# Altium PCB 脑电采集板V1.0.PcbDoc (part 2 of 2)
Units mil, origin at the board's own origin, x right, y up, seen from the top; angles counter-clockwise.
Board outline 3937.01 x 3228.35 mil, 2 copper layers (Top Layer, Bottom Layer); 167 components, 112 nets, 628 pads, 199 vias.
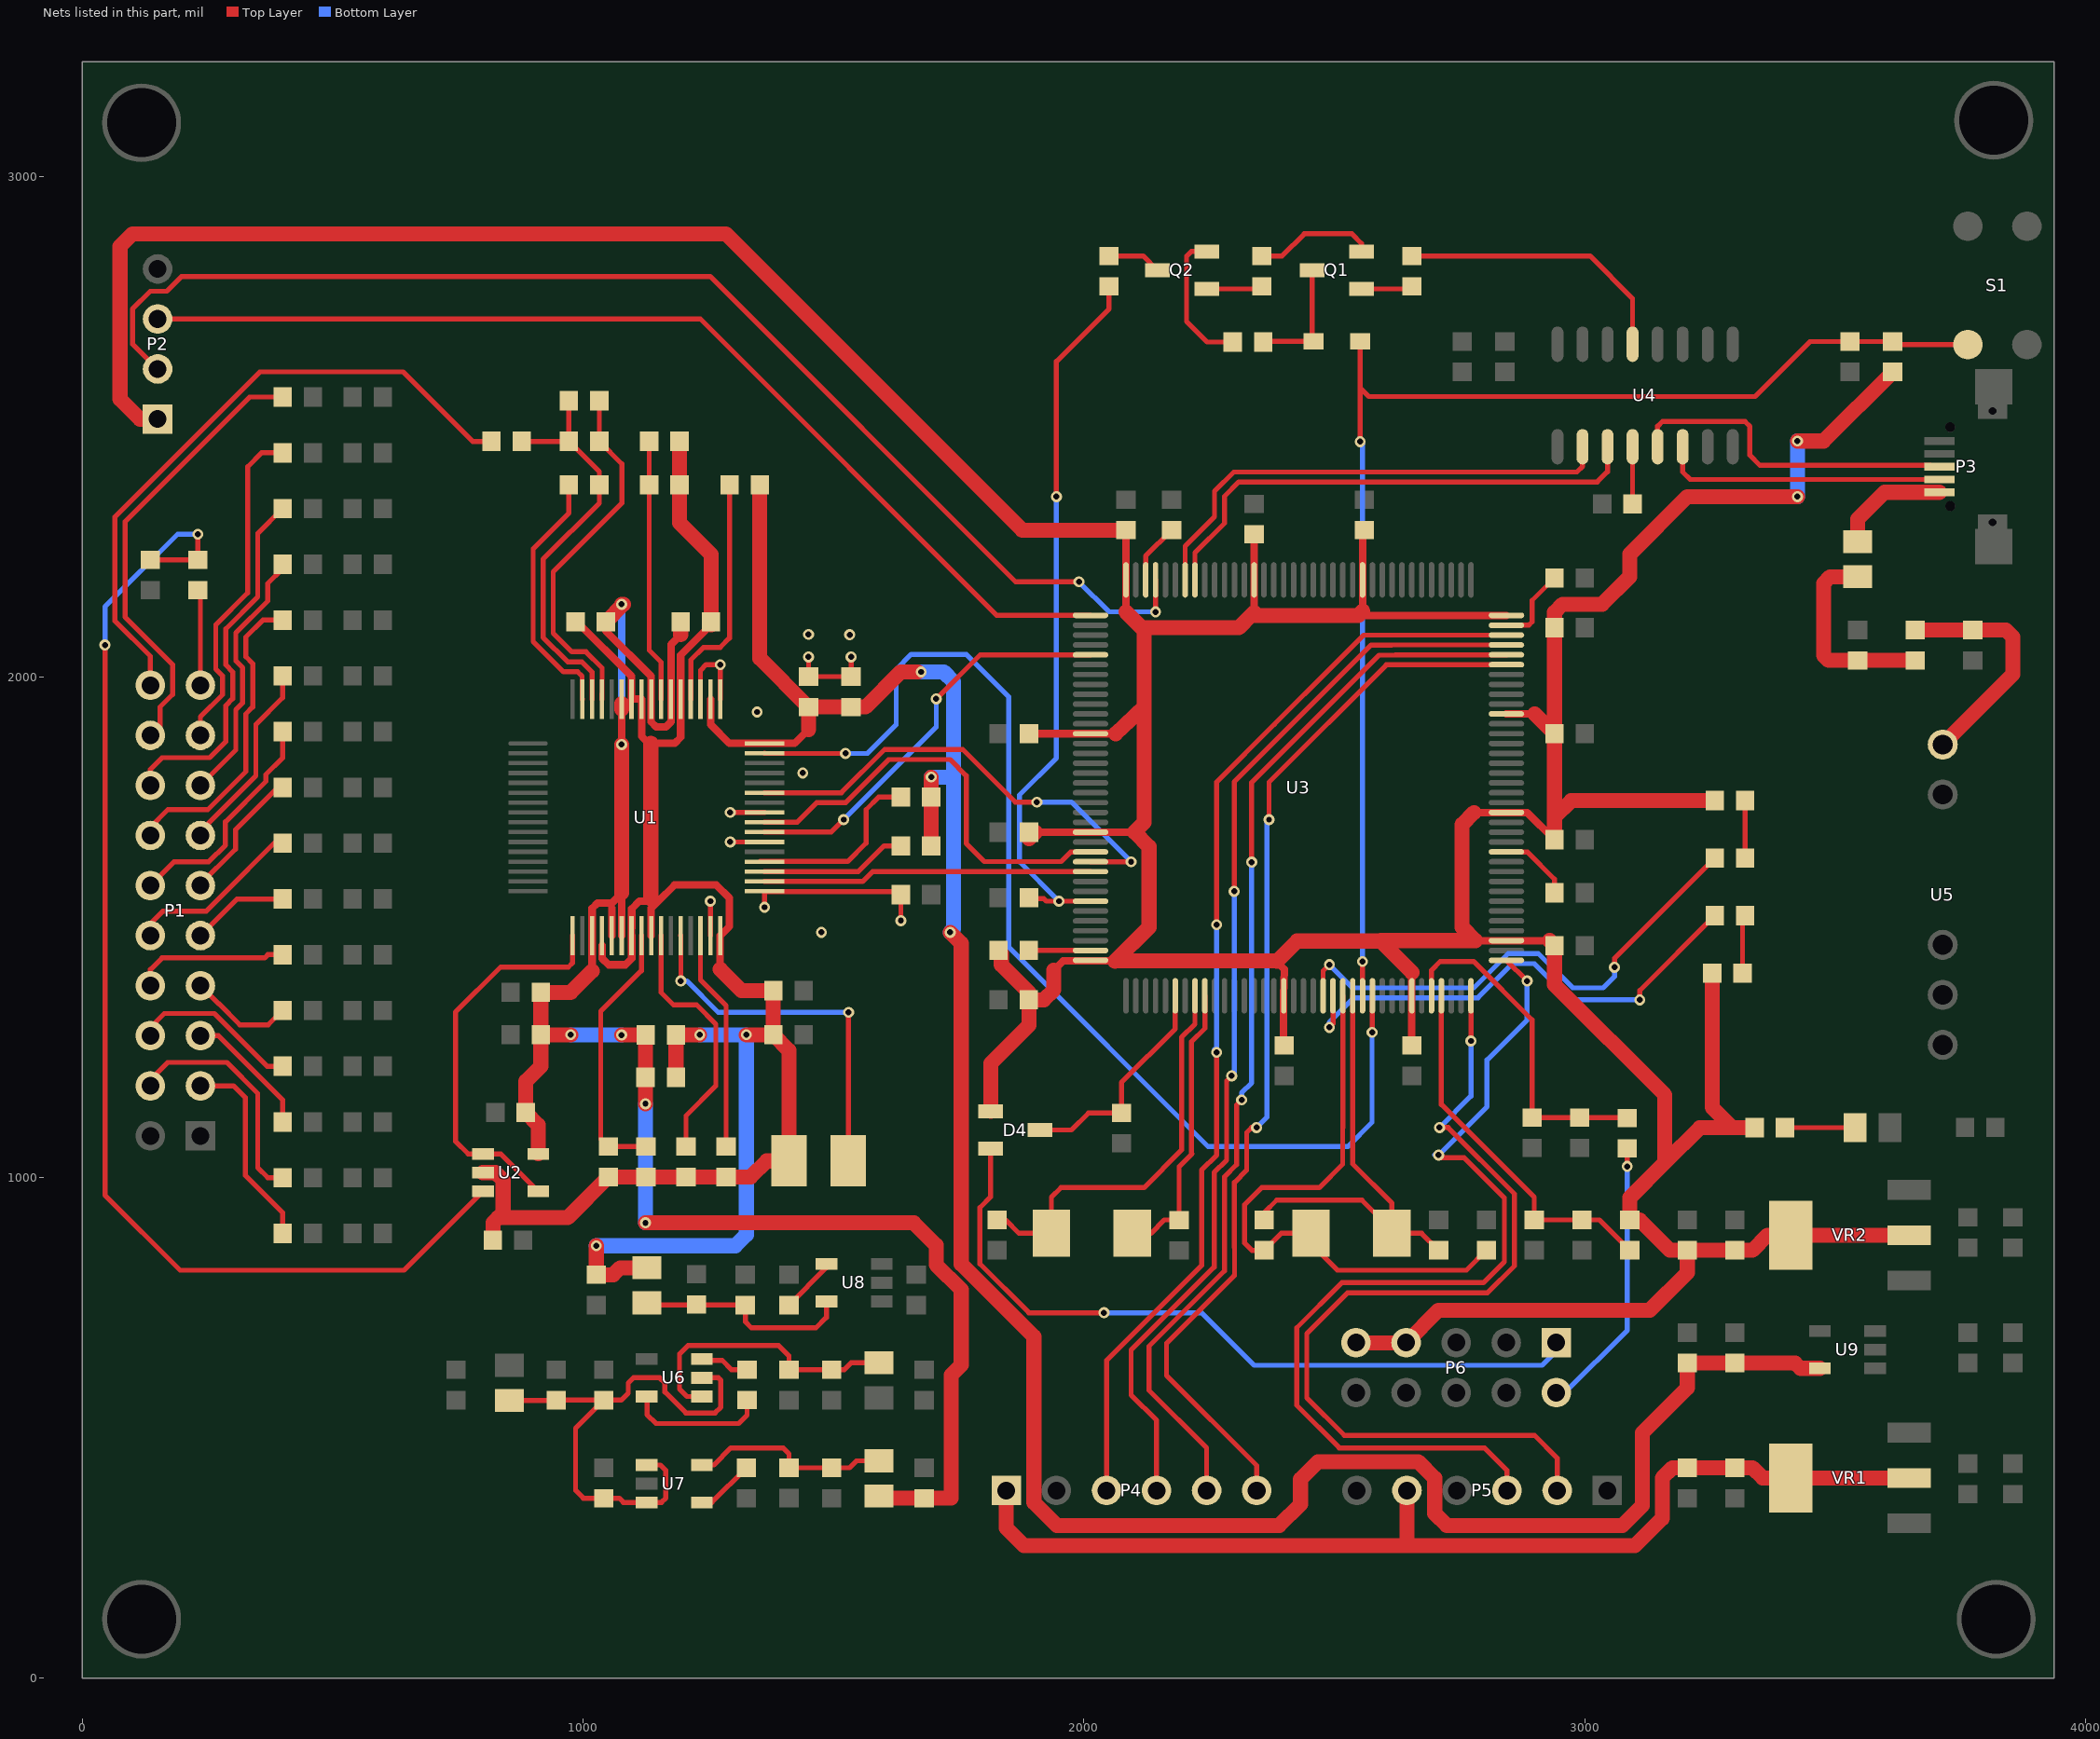
[diagram p2: the nets of this part, all layers, seen from the top]

## Via types
v1: diameter 22, hole 12, Top Layer to Bottom Layer, tented both sides, 199 vias

## Nets (pads, with @x,y where several pads share a name; then routed paths per layer and width w, separated by ;. In a path a pad name is that pad's centre, name@x,y a point inside that pad or via, vN(x,y) a via of type N, cw(c..) or ccw(c..) an arc to the next point about the centre after c; other vN are vias at no path point) (continued)
AVDD: C1.1 C2.1 C3.1 C4.1 C9.1 C10.1 C30.2 C79.2 L4.2 U1.19 U1.21 U1.22 U1.54 U1.56 U1.59 U2.5 | length 3882.9
  Top Layer w15: 1017.76,1412.76 U1.19@1017.76,1483.33 1017.76,1537.76 1028.63,1548.63 1057.03,1548.63 1077.17,1568.77 U1.22@1076.81,1483.33 ; C4.1@1045.32,2110 1045.32,2091.55 1135.51,2001.36 U1.56@1135.51,1969.56 ; U1.21@1057.13,1483.33 1057.13,1537.87 ; v1(1076.81,1865) U1.59@1076.81,1946.82 ; U1.56@1135.87,1969.56 U1.56@1135.87,1955.77 1135.87,1910 1145.87,1900 1165,1900 1175.24,1910.24 U1.54@1175.24,1955.77 1175.24,2065 1194.68,2084.45
  Top Layer w30: U2.5@910.12,1047.4 910.12,1105.2 C30.2@885.32,1130 885.32,1192.47 915.32,1222.47 C9.1@915.32,1285.31 ; v1(975,1285.31) C9.1@915.32,1285.31 ; 1017.76,1412.76 975,1370 C10.1@915.32,1370 C9.1@915.32,1285.31 ; C4.1@1045.32,2110 1080.32,2145 v1(1076.81,2145) ; v1(1076.81,1284.83) 1077.13,1285.14 C2.1@1124.69,1285.14 1124.38,1284.83 C1.1@1124.38,1200.46 v1(1124.38,1147.36) ; v1(1076.81,1865) 1077.17,1568.77 ; U1.59@1076.81,1946.82 1077.17,1946.47 U1.59@1077.17,1935.77 ; v1(1124.38,909.69) 1660.31,909.69 1705,865 1705,825.94 1755,775.94 1755,625.69 1735,605.69 1735,359.69 C79.2@1680.95,359.69 1595.15,359.69 L4.2@1590.62,364.21 ; 1194.68,2084.45 C3.1@1194.68,2110
  Bottom Layer w15: v1(1076.81,1865) v1(1076.81,2145)
  Bottom Layer w30: v1(975,1285.31) 1076.33,1285.31 v1(1076.81,1284.83) ; v1(1124.38,909.69) v1(1124.38,1147.36)
AVSS: C1.2 C2.2 C3.2 C4.2 C5.2 C7.2 C11.1 C12.1 C21.1 C28.2 C29.2 C33.2 C34.1 C37.2 C90.2 L5.2 U1.20 U1.23 U1.25 U1.32 U1.53 U1.57 U1.58 U2.2 | length 4407.8
  Top Layer w15: C4.2@986.09,2111.41 1096.14,2001.36 U1.58@1096.14,1955.77 ; U1.20@1037.8,1463.33 1037.8,1437.75 1050.55,1425 1084.1,1425 1096.85,1437.75 U1.23@1096.85,1483.33 ; U1.58@1096.5,1955.77 U1.57@1116.18,1955.77 ; U1.23@1096.81,1483.33 U1.23@1096.81,1498.7 ; U1.23@1096.85,1498.7 1096.85,1536.85 1111.89,1551.89 1150,1551.89 ; U1.57@1116.54,1955.42 1116.54,1881.54 1130.6,1867.47 ; 1135,1867.47 1182.74,1867.47 1194.57,1879.29 1194.57,2043.77 C3.2@1255.32,2104.51 ; U1.25@1135.87,1483.33 1135.87,1537.76 1150,1551.89 ; 1273.66,1415.88 U1.32@1273.66,1483.33 1291.79,1501.46 1291.79,1558.53 1266.02,1584.29 1182.4,1584.29 1150,1551.89
  Top Layer w30: U2.2@799.88,1010 824.68,1010 840,994.68 840,930 829.84,919.84 ; C21.1@819.68,875 819.68,909.68 829.84,919.84 ; v1(1026.21,863.79) C90.2@1026.21,805.94 1060,805.94 1073.98,819.92 L5.2@1127.51,819.92 ; 1135,1557.07 1135,1867.47 ; C1.2@1185.01,1200.46 1185.32,1200.77 C2.2@1185.32,1284.83 ; C2.2@1185.32,1285.14 C2.2@1185.32,1284.83 ; C7.2@1192.4,2470.55 C5.2@1192.4,2383.88 1192.4,2307.6 1255.32,2244.69 C3.2@1255.32,2110 C3.2@1255.32,2104.51 ; v1@1232.57,1284.83 C2.2@1185.32,1284.83 ; 1273.66,1415.88 1316.21,1373.33 C12.1@1379.61,1373.33 C11.1@1379.61,1285.31 ; v1(1325.95,1285.31) C11.1@1379.61,1285.31 ; C11.1@1379.92,1285.31 C11.1@1379.61,1285.31 ; 829.84,919.84 968.91,919.84 C37.2@1050.31,1001.25 C34.1@1125.31,1001.25 C28.2@1205.31,1001.25 C29.2@1285.31,1001.25 1334.61,1001.25 1366.59,1033.23 C33.2@1410.95,1033.23 1410.95,1253.98 C11.1@1379.61,1285.31
  Bottom Layer w30: v1(1026.21,863.79) 1303.79,863.79 1325.95,885.95 v1(1325.95,1285.31) 1233.06,1285.31 v1(1232.89,1285.14)
BOOT0: R33.2 R38.2 U3.138 | length 1460.3
  Top Layer w10: R33.2@1890.32,1558.96 1892.2,1557.07 1920,1557.07 1925,1552.07 v1(1950,1552.07) U3.138@2013.07,1552.07 ; v1(1945,2360) 1945,2630 2050,2735 R38.2@2050,2780.12
  Bottom Layer w10: v1(1945,2360) 1945,1838.11 1871.26,1764.37 1871.26,1630.81 v1(1950,1552.07)
BOOT1: R34.2 U3.48 | length 145.8
  Top Layer w10: U3.48@2843.78,1650.5 2885.41,1650.5 2939.68,1596.22 R34.2@2939.68,1568.77
CH340_D+: P3.3 U4.5 | length 659.2
  Top Layer w10: U4.5@3145.67,2459.78 3145.67,2500.67 3155.21,2510.21 3320.1,2510.21 3330,2500.32 3330,2442.72 3350,2422.72 P3.3@3690,2422.72
CH340_D-: P3.2 U4.6 | length 569.3
  Top Layer w10: U4.6@3195.67,2459.78 3195.67,2409.33 3210.59,2394.41 P3.2@3708.39,2394.41
DGND: C13.2 C14.2 R1.1 U1.31 U1.33 U1.38 U1.41 U1.49 U1.51 | length 898.1
  Top Layer w10: U1.51@1234.29,1955.77 1234.29,2013.13 1245.67,2024.51 v1(1273.66,2024.51) U1.49@1273.66,1955.77 ; U1.31@1253.98,1483.33 v1(1253.98,1552.07) ; v1(1293.5,1670.34) U1.38@1362.24,1670.34 ; v1(1293.5,1729.4) U1.41@1362.24,1729.4 ; v1(1362.28,1540) 1362.28,1571.29 1362.24,1571.33 1628.04,1571.33 R1.1@1634.37,1565 v1(1634.37,1513.17) ; v1(1450,2040) C13.2@1450,2000.63 C14.2@1535,2000.63 v1(1535,2040)
  other v1: 1475.81,1490 1438.59,1808.19 1347.31,1930 1532.26,2084.2 1450,2085
DVDD: C13.1 C14.1 C95.2 C96.2 R5.1 R13.1 R16.2 U1.48 U1.50 U9.5 | length 5034.7
  Top Layer w15: U1.50@1254.33,1955.42 1254.33,1904.65 1291.79,1867.19 U1.48@1362.24,1867.19 1422.19,1867.19 1450,1895
  Top Layer w30: R5.1@1352.68,2383.88 1352.68,2037.32 C13.1@1450,1940 ; 1450,1895 C13.1@1450,1940 ; v1@1668.33,2010 1633.9,2010 1563.9,1940 C14.1@1535,1940 C13.1@1450,1940 ; R16.2@1695,1662.5 R13.1@1695,1760 v1(1695,1800) ; v1(1732.82,1490) 1755,1467.82 1755,827.4 1900,682.4 1900,350.94 1945.94,305 2390,305 2432.52,347.52 2432.52,397.52 2467.5,432.5 2667.5,432.5 2700.47,399.53 2700.47,329.13 2724.61,305 3075.32,305 3115,344.68 3115,490 3205,580 C96.2@3205,629.68 C95.2@3300,629.68 3420.31,629.68 3431.02,618.98 U9.5@3469.88,618.98
  Bottom Layer w30: v1(1675,2010) 1720,2010 1739.69,1990.31 1739.69,1800 ; v1(1695,1800) 1739.69,1800 ; v1(1732.82,1490) 1739.69,1496.86 1739.69,1800
IN1N: P1.4 R9.1 | length 472.7
  Top Layer w10: P1.4@135.55,1183.33 135.55,1195.55 170,1230 288.18,1230 350,1168.18 350,1020 370.29,999.71 R9.1@399.61,999.71
IN1P: P1.3 R7.1 | length 401.7
  Top Layer w10: P1.3@235.55,1183.33 301.67,1183.33 325,1160 325,1004.68 399.61,930.08 R7.1@399.61,888.33
IN2N: P1.6 R10.1 | length 335.9
  Top Layer w10: P1.6@135.55,1283.33 135.55,1300 163.41,1327.86 263.16,1327.86 368.56,1222.47 R10.1@399.61,1222.47
IN2P: P1.5 R8.1 | length 261.4
  Top Layer w10: P1.5@235.55,1283.33 271.67,1283.33 399.61,1155.39 R8.1@399.61,1111.09
IN3N: P1.8 R14.1 | length 308.6
  Top Layer w10: P1.8@135.55,1383.33 135.55,1415.55 158.81,1438.81 363.81,1438.81 370.22,1445.22 R14.1@399.61,1445.22
IN3P: P1.7 R11.1 | length 208.4
  Top Layer w10: P1.7@235.55,1383.33 271.02,1347.86 271.45,1347.86 314.31,1305 370.76,1305 R11.1@399.61,1333.84
IN4N: P1.10 R15.1 | length 354.6
  Top Layer w10: P1.10@135.55,1483.33 135.55,1507.14 160.8,1532.39 247.58,1532.39 280.08,1564.89 280.08,1565.08 382.98,1667.98 R15.1@399.61,1667.98
IN4P: P1.9 R12.1 | length 194.4
  Top Layer w10: P1.9@235.55,1483.33 308.82,1556.6 R12.1@399.61,1556.6
IN5N: P1.12 R19.1 | length 457.2
  Top Layer w10: P1.12@135.55,1583.33 183.19,1630.97 252.27,1630.97 285.46,1664.16 285.46,1710.46 366.3,1791.3 366.3,1804.86 399.61,1838.17 R19.1@399.61,1890.73
IN5P: P1.11 R17.1 | length 273.3
  Top Layer w10: P1.11@235.55,1583.33 232.92,1583.33 305.46,1655.88 305.46,1694.7 390.12,1779.36 R17.1@399.61,1779.36
IN6N: P1.14 R20.1 | length 620.6
  Top Layer w10: P1.14@135.55,1683.33 135.55,1699.95 170.6,1735 250.19,1735 326.3,1811.11 326.3,1926.26 340.08,1940.04 340.08,2026.63 326.3,2040.41 326.3,2079.5 360.29,2113.49 R20.1@399.61,2113.49
IN6P: P1.13 R18.1 | length 386.7
  Top Layer w10: P1.13@235.55,1683.33 235.55,1685 235.55,1691.76 346.3,1802.51 346.3,1905.03 399.61,1958.33 R18.1@399.61,2002.11
IN7N: P1.16 R23.1 | length 729.5
  Top Layer w10: P1.16@135.55,1783.33 135.55,1815.55 158.81,1838.81 254,1838.81 286.3,1871.11 286.3,1942.83 300.08,1956.61 300.08,2010.06 286.3,2023.84 286.3,2096.07 350,2159.77 350,2286.64 R23.1@399.61,2336.25
IN7P: P1.15 R21.1 | length 520.9
  Top Layer w10: P1.15@235.55,1783.33 306.3,1854.08 306.3,1934.54 320.08,1948.32 320.08,2018.35 306.3,2032.12 306.3,2087.78 370,2151.48 370,2186.44 399.61,2216.05 R21.1@399.61,2224.87
IN8N: P1.18 R24.1 | length 902.2
  Top Layer w10: P1.18@135.55,1883.33 155,1902.78 155,1939.81 180.08,1964.89 180.08,2024.92 85,2120 85,2310 334,2559 R24.1@399.61,2559
IN8P: P1.17 R22.1 | length 668.1
  Top Layer w10: P1.17@235.55,1883.33 235.55,1920.36 280.08,1964.89 280.08,2001.78 266.3,2015.56 266.3,2104.35 330,2168.05 330,2419.78 357.84,2447.62 R22.1@399.61,2447.62
LED0: D1.K U3.21 | length 1041.6
  Top Layer w10: U3.21@2477.64,1363.1 2477.64,1412.99 v1(2490,1425.35) ; v1(3059.53,1420) 3059.53,1437.97 D1.K@3259.69,1638.12
  Bottom Layer w10: v1(2490,1425.35) 2536.32,1379.03 2778.66,1379.03 2847.06,1447.43 2907.65,1447.43 2976.05,1379.03 3037,1379.03 3059.53,1401.56 v1(3059.53,1420)
LED1: D2.K U3.22 | length 1005
  Top Layer w10: v1(2490,1300) 2497.32,1307.32 U3.22@2497.32,1363.1 ; v1(3110,1355) 3110,1373.54 D2.K@3259.69,1523.23
  Bottom Layer w10: v1(2490,1300) 2490,1310 2539.03,1359.03 2786.94,1359.03 2855.34,1427.43 2899.37,1427.43 2971.79,1355 v1(3110,1355)
NetC5_1: C5.1 C7.1 U1.55 | length 524.6
  Top Layer w10: C7.1@1131.77,2470.55 C5.1@1131.77,2383.88 1131.77,2053.23 1155.55,2029.45 U1.55@1155.55,1955.77
NetC8_1: C8.1 R3.1 R4.1 R6.2 U1.62 | length 819
  Top Layer w10: R6.2@877.13,2470.55 R3.1@971.5,2470.55 ; C8.1@971.5,2551.81 R3.1@971.5,2470.55 ; U1.62@1017.72,1955.77 1017.72,2009.64 997.21,2030.14 968.93,2030.14 920,2079.07 920,2235 1032.13,2347.13 R4.1@1032.13,2383.88 1032.13,2409.92 R3.1@971.5,2470.55
NetC8_2: C8.2 R3.2 U1.61 | length 729
  Top Layer w10: C8.2@1032.13,2551.81 R3.2@1032.13,2470.55 1077.17,2425.51 1077.17,2347.17 940,2210 940,2087.36 977.21,2050.14 1005.5,2050.14 1037.72,2017.93 1037.72,1966.72 1037.09,1966.09 1037.09,1956.13 U1.61@1037.44,1955.77
NetC28_1: C28.1 U1.26 | length 518.8
  Top Layer w10: U1.26@1155.87,1483.33 1155.87,1475.05 1155.55,1474.73 1155.55,1369.58 1180.13,1345 1226.43,1345 1265,1306.43 1265,1183.17 1205.31,1123.49 C28.1@1205.31,1061.88
NetC29_1: C29.1 U1.30 | length 442.6
  Top Layer w10: U1.30@1234.29,1483.33 1234.29,1394.68 1285.31,1343.66 C29.1@1285.31,1061.88
NetC33_1: C33.1 U1.28 | length 748.8
  Top Layer w10: U1.28@1194.92,1483.33 1195,1483.25 v1(1195,1392.74) ; C33.1@1529.06,1033.23 1530,1034.17 v1(1530,1330)
  Bottom Layer w10: v1(1195,1392.74) 1207.26,1392.74 1270,1330 v1(1530,1330)
NetC34_2: C34.2 C37.1 U1.24 | length 536.4
  Top Layer w10: U1.24@1116.18,1483.33 1116.18,1413.21 1035,1332.03 1035,1077.19 C37.1@1050.31,1061.88 C34.2@1125.31,1061.88
NetC38_2: C38.2 U3.8 Y1.2 | length 809.9
  Top Layer w10: C38.2@1826.42,915.46 1843.59,915.46 1870.29,888.77 Y1.2@1935,888.77 1935,960.89 1954.11,980 2120,980 2195,1055 2195,1280 2221.73,1306.73 U3.8@2221.73,1363.1
NetC39_2: C39.2 U3.9 Y1.1 | length 574.4
  Top Layer w10: Y1.1@2096.42,888.77 2133.77,888.77 2160.46,915.46 2190,915.46 2190,1021.72 2215.87,1047.58 2215,1048.45 2215,1271.72 2241.73,1298.45 U3.9@2241.73,1363.1
NetC40_2: C40.2 R29.1 U3.23 Y2.1 | length 1214.1
  Top Layer w10: Y2.1@2453.58,888.77 Y2.1@2432.52,888.77 ; 2516.69,1099.68 2516.69,1099.37 ; U3.23@2517.01,1363.1 2517.01,1099.68 2516.69,1099.37 ; C40.2@2803.67,854.83 2763.84,815 2506.29,815 Y2.1@2432.52,888.77 ; Y2.1@2432.52,888.77 2393.94,888.77 R29.1@2360,854.83 2335.17,854.83 2320.47,869.53 2320.47,945.47 2355,980 2470,980 2516.69,1026.69 2516.69,1099.37
NetC41_2: C41.2 R29.2 U3.24 Y2.2 | length 918.8
  Top Layer w10: R29.2@2360,915.46 2360,930 2385,955 2555,955 Y2.2@2615,895 ; U3.24@2536.69,1363.1 2536.69,1027.24 2615,948.94 Y2.2@2615,895 ; C41.2@2708.23,854.83 2674.29,888.77 Y2.2@2615,888.77 Y2.2@2615,895
NetC42_1: C42.1 C43.1 R31.2 U3.33 | length 740.4
  Top Layer w10: U3.33@2713.86,1363.1 2713.86,1146.14 2899.11,960.89 C43.1@2899.11,915.46 C42.1@2994.56,915.46 3029.37,915.46 R31.2@3090,854.83
NetC45_2: C45.2 U3.106 | length 120.7
  Top Layer w10: U3.106@2123.31,2193.81 2123.31,2241.44 C45.2@2175,2293.14
NetC47_2: C47.2 U3.71 | length 160.1
  Top Layer w10: U3.71@2843.78,2103.25 2888.25,2103.25 2895,2110 2895,2152.86 C47.2@2939.69,2197.55
NetC64_2: C64.2 U4.4 | length 122
  Top Layer w10: C64.2@3090.31,2340 C64.2@3095.67,2345.35 U4.4@3095.67,2459.78
NetC65_1: C65.1 U6.5 | length 280.4
  Top Layer w10: U6.5@1126.59,562.72 1127.51,561.8 1127.51,526.66 1145.5,508.67 1310.26,508.67 1327.19,525.6 C65.1@1327.19,555.46
NetC65_2: C65.2 U6.3 | length 99.2
  Top Layer w10: U6.3@1236.83,637.52 1239.35,635 1277.48,635 1296.39,616.09 C65.2@1327.19,616.09
NetC67_2: C67.2 F1.2 L1.1 | length 404.5
  Top Layer w30: F1.2@3545,2199.92 3490.08,2199.92 3476.93,2186.77 3476.93,2043.07 3486.98,2033.02 C67.2@3545,2033.02 L1.1@3660,2033.02
NetC68_2: C68.2 L1.2 U5.1 | length 473.6
  Top Layer w30: L1.2@3660,2093.65 3841.35,2093.65 3855,2080 3855,2005 U5.1@3715,1865
NetC70_2: C70.2 C71.2 C75.1 L2.2 U6.2 U7.1 U7.3 | length 1093.5
  Top Layer w10: L2.2@847.26,559.96 L2.2@852.22,555 945.51,555 C70.2@945.95,555.43 C75.1@1040.94,555.43 ; U7.1@1126.59,426.02 1153.98,426.02 1165,415 1165,360 1156.22,351.22 U7.3@1126.59,351.22 1080.32,351.22 1071.85,359.69 C71.2@1040.94,359.69 1000.31,359.69 984.68,375.32 984.68,499.17 C75.1@1040.94,555.43 ; U6.2@1236.83,600.12 1269.88,600.12 1275,595 1275,541.69 1263.31,530 1205,530 1163.24,571.76 1163.24,589.53 1152.65,600.12 1100.43,600.12 1089.94,589.62 1089.94,569.58 1075.79,555.43 C75.1@1040.94,555.43
NetC72_2: C72.2 C73.2 L3.1 U6.1 | length 568.6
  Top Layer w10: U6.1@1236.83,562.72 1207.28,562.72 1192.4,577.6 1192.4,647.8 1209.61,665 1390,665 1410.95,644.05 C72.2@1410.95,616.06 C73.2@1495.96,616.06 1521.02,616.06 1535,630.04 L3.1@1590.62,630.04
NetC76_2: C76.2 U7.4 | length 117.7
  Top Layer w10: U7.4@1236.83,351.22 1256.85,351.22 C76.2@1325.95,420.32
NetC77_2: C77.2 C78.2 L4.1 U7.5 | length 406.4
  Top Layer w10: U7.5@1236.83,426.02 1261.02,426.02 1295,460 1399.06,460 1410.95,448.1 1410.95,420.32 C78.2@1495.96,420.32 1531.73,420.32 1545.71,434.29 L4.1@1590.62,434.29
NetC88_2: C88.2 C89.2 L5.1 U8.5 | length 438.7
  Top Layer w10: L5.1@1127.51,749.84 1132.04,745.32 1231.42,745.32 C88.2@1323.65,745.32 1323.65,712.29 1335.95,700 1465,700 1485.83,720.83 U8.5@1485.83,752.6
NetC92_2: C92.2 U8.4 | length 113.1
  Top Layer w10: C92.2@1410.95,745.32 1485.83,820.19 U8.4@1485.83,827.4
NetD1_A: D1.A R26.2 | length 114.9
  Top Layer w10: D1.A@3320.32,1638.12 R26.2@3320.32,1753.02
NetD2_A: D2.A R27.2 | length 117
  Top Layer w10: R27.2@3315.32,1408.33 3315.32,1518.23 D2.A@3320.32,1523.23
NetD3_A: D3.A R28.2 | length 139.9
  Top Layer w10: R28.2@3400,1099.69 D3.A@3539.92,1099.69
NetD5_2: D5.2 Q1.3 R35.2 | length 244.6
  Top Layer w10: R35.2@2357.82,2668.9 2358.92,2670 D5.2@2458.54,2670 2455.79,2672.76 Q1.3@2455.79,2812.32
NetQ1_1: Q1.1 R36.2 | length 102.9
  Top Layer w10: Q1.1@2554.21,2774.92 2649.8,2774.92 R36.2@2655,2780.12
NetQ1_2: Q1.2 R37.2 | length 241.6
  Top Layer w10: R37.2@2355,2840.75 2395.75,2840.75 2440,2885 2535,2885 2554.21,2865.79 Q1.2@2554.21,2849.72
NetQ2_1: Q2.1 R37.1 | length 112.2
  Top Layer w10: Q2.1@2245,2774.92 2349.8,2774.92 R37.1@2355,2780.12
NetQ2_3: Q2.3 R38.1 | length 108.3
  Top Layer w10: R38.1@2050,2840.75 2118.15,2840.75 Q2.3@2146.57,2812.32
NetR4_2: R4.2 U1.63 | length 514.9
  Top Layer w10: R4.2@971.5,2383.88 971.5,2327.57 900,2256.07 900,2070.79 960.65,2010.14 988.93,2010.14 997.72,2001.36 997.72,1956.13 U1.63@998.07,1955.77
NetR5_2: R5.2 U1.52 | length 479.5
  Top Layer w10: U1.52@1214.96,1955.77 1214.96,2033.73 1240.43,2059.2 1273.72,2059.2 1292.05,2077.52 R5.2@1292.05,2383.88
NetR13_2: R13.2 U1.36 | length 372.8
  Top Layer w10: U1.36@1354,1631.33 1528.19,1631.33 1565,1668.14 1565,1735 1590,1760 R13.2@1634.37,1760
NetR25_2: R25.2 U3.143 | length 123.1
  Top Layer w10: R25.2@1890,1453.65 U3.143@2013.07,1453.65
NetR36_1: R36.1 U4.13 | length 567.1
  Top Layer w10: R36.1@2655,2840.75 3010.59,2840.75 3095.67,2755.67 U4.13@3095.67,2664.5
P\W\D\N\: R16.1 U1.35 | length 293.3
  Top Layer w10: U1.35@1362.24,1611.29 1362.28,1611.33 1549.68,1611.33 1600.86,1662.5 R16.1@1634.37,1662.5
PC0: U1.47 U3.26 | length 2332.9
  Top Layer w10: U1.47@1362.24,1847.51 v1(1523.77,1847.21) ; v1(2575.43,1290) 2576.06,1290.63 U3.26@2576.06,1363.1
  Bottom Layer w10: v1(1523.77,1847.21) 1567.57,1847.21 1625,1904.64 1625,2015 1655,2045 1765,2045 1850,1960 1850,1460.04 2248.16,1061.88 2526.88,1061.88 2575.43,1110.43 v1(2575.43,1290)
PC12: U1.39 U3.113 | length 830.4
  Top Layer w10: U1.39@1362.24,1690.03 1495.03,1690.03 v1(1520,1715) ; v1(1705,1956.13) 1793.07,2044.2 U3.113@2013.07,2044.2
  Bottom Layer w10: v1(1520,1715) 1705,1900 v1(1705,1956.13)
PE14: P4.6 U3.67 | length 2151.7
  Top Layer w10: v1(2344.69,1100) 2335,1100 2325,1090 2325,1014.83 2300.47,990.3 2300.47,861.24 2300.71,861.01 2300.71,805.46 2300.47,805.22 2300.47,804.53 2165,669.05 2165,605 2345,425 P4.6@2345,375 ; v1(2369.69,1715) 2369.69,1789.88 2604,2024.2 2709.2,2024.2 ; 2709.51,2024.2 2709.2,2024.2 ; U3.67@2843.78,2024.51 2709.51,2024.51 2709.2,2024.2
  Bottom Layer w10: v1(2344.69,1100) 2365.31,1120.63 2365.31,1710.63 v1(2369.69,1715)
PE15: P4.5 U3.68 | length 2161.7
  Top Layer w10: P4.5@2245,375 2245,460 2130,575 2130,663.03 2280.71,813.74 2280.71,852.72 2280.47,852.96 2280.47,1001.48 2305,1026.01 2305,1145 v1(2315,1155) ; v1(2335,1630) 2335,1789.2 2589.37,2043.57 2622.17,2043.57 2622.48,2043.88 2673.88,2043.88 ; 2674.2,2043.88 2673.88,2043.88 ; U3.68@2843.78,2044.2 2674.2,2044.2 2673.88,2043.88
  Bottom Layer w10: v1(2315,1155) 2315,1169.37 2335,1189.37 v1(2335,1630)
REF_ELEC: C6.2 R2.1 U2.3 | length 2449.1
  Top Layer w10: v1(45,2063.88) 45,965 195,815 642.28,815 U2.3@799.88,972.6 ; C6.2@135.55,2233.77 R2.1@230.55,2233.77 v1(230.55,2285)
  Bottom Layer w10: v1(45,2063.88) 45,2140 190,2285 v1(230.55,2285)
REF_ELEC_CON: P1.19 R2.2 | length 191.9
  Top Layer w10: R2.2@230.55,2173.14 235.55,2168.14 P1.19@235.55,1983.33
RESET: C44.2 D5.1 R30.2 S1.1 U3.25 | length 2577.8
  Top Layer w10: v1(2551.46,2470) 2551.46,2577.55 ; D5.1@2551.46,2670 2551.46,2577.55 ; U3.25@2556.38,1363.1 v1(2556.38,1431.72) ; S1.1@3765,2663.78 3621.1,2663.78 R30.2@3615,2669.88 C44.2@3530,2669.88 3449.88,2669.88 3340,2560 2569,2560 2551.46,2577.55
  Bottom Layer w10: v1(2551.46,2470) 2556.38,2465.08 v1(2556.38,1431.72)
RL: P1.20 R6.1 | length 1294.6
  Top Layer w10: P1.20@135.55,1983.33 135.55,2041.16 65,2111.72 65,2320 354.25,2609.25 640.43,2609.25 779.13,2470.55 R6.1@816.5,2470.55
SPI3_MISO: U1.43 U3.134 | length 941.6
  Top Layer w10: U1.43@1362.24,1768.77 1515.48,1768.77 1601.72,1855 1757.82,1855 1862.82,1750 v1(1905.95,1750) ; U3.134@2013.07,1630.81 v1(2094.19,1630.81)
  Bottom Layer w10: v1(1905.95,1750) 1975,1750 v1(2094.19,1630.81)
SPI3_MOSI: U1.34 U3.135 | length 659
  Top Layer w10: U1.34@1362.24,1591.33 1557.97,1591.33 1577.77,1611.13 U3.135@2013.07,1611.13
SPI3_SCK: U1.40 U3.133 | length 874.5
  Top Layer w10: U1.40@1362.24,1709.71 1427.23,1709.71 1466.29,1748.77 1523.77,1748.77 1610,1835 1732.82,1835 1765,1802.82 1765,1667.46 1801.33,1631.13 1954.46,1631.13 1973.83,1650.5 U3.133@2013.07,1650.5
SRB1: U1.17 U2.1 U2.4 | length 793.2
  Top Layer w10: U2.4@910.12,972.6 835.31,1047.4 U2.1@799.88,1047.4 770.2,1047.4 745,1072.6 745,1330.32 835.04,1420.35 970.35,1420.35 978.39,1428.39 U1.17@978.39,1483.33
SWCLK: P2.3 U3.109 | length 2108.3
  Top Layer w10: P2.3@150,2715 1233.77,2715 1825.83,2122.94 U3.109@2013.07,2122.94
SWDIO: P2.2 U3.105 | length 2552
  Top Layer w10: P2.2@150,2615 100,2665 100,2735 135.47,2770.47 168.44,2770.47 197.97,2800 1253.81,2800 1863.81,2190 v1(1990,2190) ; v1(2142.99,2130) U3.105@2142.99,2193.81
  Bottom Layer w10: v1(1990,2190) 2050,2130 v1(2142.99,2130)
USART1_RX: U3.102 U4.2 | length 996
  Top Layer w10: U3.102@2202.05,2193.81 2202.05,2261.37 2260.79,2320.11 2260.79,2370.79 2299.35,2409.35 2984.35,2409.35 2995.67,2420.67 U4.2@2995.67,2459.78
USART1_TX: U3.101 U4.3 | length 1023.9
  Top Layer w10: U3.101@2221.73,2193.81 2221.73,2248.19 2280.79,2307.24 2280.79,2360.79 2309.35,2389.35 3025.02,2389.35 3045.67,2410 U4.3@3045.67,2445.67 ; U4.3@3045.67,2448.24 U4.3@3045.67,2459.78
USART2_RX: P5.3 U3.37 | length 1914.9
  Top Layer w10: v1(2708.23,1045) 2713.7,1039.53 2759.53,1039.53 2819.37,979.69 2839.69,959.37 2839.69,832.03 2797.65,790 2515,790 2425,700 2425,545 2510,460 2800,460 2845,415 P5.3@2845,379.57 ; U3.37@2843.78,1433.96 v1(2885,1392.74)
  Bottom Layer w10: v1@2700.49,1045 v1(2708.23,1045) 2805,1141.77 2805,1235 2885,1315 v1(2885,1392.74)
USART2_TX: P5.2 U3.36 | length 1851.4
  Top Layer w10: v1(2710,1100) 2727.34,1100 2859.69,967.65 2859.69,823.75 2805.94,770 2526.56,770 2445,688.44 2445,560 2520,485 2900,485 2945,440 P5.2@2945,375 ; v1(2772.91,1272.91) U3.36@2772.91,1363.1
  Bottom Layer w10: v1(2710,1100) 2772.91,1162.91 v1(2772.91,1272.91)
USART3_RX: P4.3 U3.70 | length 2210.6
  Top Layer w10: P4.3@2045,375 2045,634.6 2235,824.6 2235,1015 2265,1045 v1(2265,1250) ; v1(2265,1505) 2265,1762.21 2265,1790 2380.38,1905.38 2499.17,2024.17 2558.57,2083.57 U3.70@2843.78,2083.57
  Bottom Layer w10: v1(2265,1250) 2260,1255 2265,1260 v1(2265,1505)
USART3_TX: P4.4 U3.69 | length 2179
  Top Layer w10: P4.4@2145,375 2145,515 2094.19,565.81 2094.19,655.5 2260,821.32 2260,1010 2285,1035 2285,1193.14 v1(2295,1203.14) ; v1(2300,1571.92) 2300,1790.2 2573.37,2063.57 2613.57,2063.57 ; 2613.88,2063.57 2613.57,2063.57 ; U3.69@2843.78,2063.88 2613.88,2063.88 2613.57,2063.57
  Bottom Layer w10: v1(2295,1203.14) 2300,1208.14 v1(2300,1571.92)
USB_5V: F1.1 P3.1 | length 230.7
  Top Layer w30: F1.1@3545,2270 3545,2315 3598.82,2368.82 P3.1@3708.39,2368.82
VBAT: D4.2 P6.1 | length 1509.2
  Top Layer w10: D4.2@1813.78,1057.6 1813.78,961.63 1792.13,939.98 1792.13,827.87 1890,730 v1(2040,730)
  Bottom Layer w10: v1(2040,730) 2235,730 2340,625 2915,625 P6.1@2960,670
VBAT_IN: C46.1 D4.3 U3.6 | length 455.4
  Top Layer w10: D4.3@1912.2,1095 1975,1095 2009.08,1129.08 C46.1@2075,1129.08 2075,1190 2182.36,1297.36 U3.6@2182.36,1363.1
VCC3.3: Q2.2 R35.1 | length 283.6
  Top Layer w10: Q2.2@2245,2849.72 2214.18,2849.72 2205,2840.54 2205,2710 2246.1,2668.9 R35.1@2297.19,2668.9
VCC3.3_MCU: C50.2 C51.2 C52.2 C53.2 C54.2 C55.2 C56.2 C57.2 C58.2 C59.2 C60.2 C61.2 C86.2 C87.2 D4.1 P2.1 P6.7 P6.9 R25.1 R26.1 R27.1 R28.1 R30.1 R31.1 U3.17 U3.30 U3.39 U3.52 U3.62 U3.72 U3.84 U3.95 U3.108 U3.121 U3.131 U3.144 VR2.2 | length 11907.8
  Top Layer w15: C52.2@1890.32,1886.72 U3.121@2013.07,1886.72 2063.28,1886.72 ; C53.2@1903.09,1689.87 U3.131@2013.07,1689.87 2052.32,1689.87 ; 1940,1414.51 1958.63,1433.14 2063.14,1433.14 ; 2052.47,1690.03 2100.74,1690.03 ; 2083.94,2130 U3.108@2083.94,2193.81 C59.2@2083.94,2282.07 ; 2339.84,2128.86 U3.95@2339.84,2193.81 C57.2@2339.84,2280.79 ; 2385,1431.72 2400.14,1415.85 U3.17@2398.9,1363.1 C55.2@2398.9,1264.87 ; 2547.94,2122.94 U3.72@2843.78,2122.94 ; 2556.38,2131.38 U3.84@2556.38,2193.81 C51.2@2556.38,2289.51 ; C50.2@2654.8,1263.77 U3.30@2654.8,1363.1 2654.8,1410 ; 2779.05,1729.24 U3.52@2843.78,1729.24 2885.56,1729.24 C60.2@2939.69,1675.12 ; 2781.67,1473.33 U3.39@2843.78,1473.33 C56.2@2929.8,1473.33 ; U3.62@2843.78,1926.09 2900.38,1926.09
  Top Layer w30: P2.1@150,2515 115,2515 75,2555 75,2860 100,2885 1285,2885 1876.86,2293.14 C59.2@2083.94,2293.14 ; D4.1@1813.78,1132.4 1813.78,1228.01 1890,1304.23 C54.2@1890,1355 ; R25.1@1829.37,1453.65 1835,1448.02 1835,1425 1890,1370 C54.2@1890,1355 ; C53.2@1890.32,1677.09 C53.2@1903.09,1689.87 ; 1940,1414.51 1940,1375 1920,1355 C54.2@1890,1355 ; 2061.98,1431.98 2063.14,1433.14 ; 2063.28,1886.72 2120,1940.24 ; 2083.94,2130 2115.49,2098.45 ; 2339.84,2128.86 2333.92,2122.94 ; 2376.86,1433.14 2063.14,1433.14 ; 2385,1431.72 2425.69,1472.4 2592.4,1472.4 ; C55.2@2398.9,1264.87 C55.2@2400,1263.77 ; P6.9@2543.37,670 2642.97,670 P6.7@2643.37,670.4 2707.97,735 3130,735 3205,810 C86.2@3205,854.83 ; 2556.38,2131.38 2547.94,2122.94 2333.92,2122.94 ; C51.2@2556.38,2289.51 C51.2@2560,2293.14 ; 2654.8,1410 2592.4,1472.4 ; 2779.05,1729.24 2755,1705.19 2755,1500 2781.67,1473.33 2593.33,1473.33 2592.4,1472.4 ; 2900.38,1926.09 C58.2@2939.69,1886.78 ; C56.2@2929.8,1473.33 C56.2@2939.69,1463.45 2939.69,1385.32 3160,1165 3160,1030 ; C60.2@2939.69,1675.12 2939.69,1719.68 ; R27.1@3254.69,1408.33 3254.69,1140.31 3295.31,1099.69 ; R26.1@3259.69,1753.02 2973.02,1753.02 2939.69,1719.68 ; R28.1@3339.37,1099.69 3295.31,1099.69 ; v1(3425,2360) 3204.89,2360 3090,2245.11 3090,2200 3035,2145 2955.67,2145 2939.69,2129.02 C61.2@2939.69,2098.45 C58.2@2939.69,1886.78 ; v1(3425,2471.18) 3476.93,2471.18 R30.1@3615,2609.25 ; VR2.2@3648.11,885 VR2.2@3411.89,885 3365,885 3334.83,854.83 C87.2@3300,854.83 C86.2@3205,854.83 ; 2063.14,1433.14 2130,1500 2130,1660.76 2100.74,1690.03 2120,1709.29 2120,1940.24 ; 2115.49,2098.45 2120,2093.94 2120,1940.24 ; 2115.49,2098.45 2309.43,2098.45 2333.92,2122.94 ; 2939.69,1719.68 C58.2@2939.69,1886.78 ; 3160,1030 3229.69,1099.69 3295.31,1099.69 ; 3160,1030 3090,960 R31.1@3090,915.46 3090.46,915 3110,915 3170.17,854.83 C86.2@3205,854.83
  Bottom Layer w30: v1(3425,2360) v1(3425,2471.18)
VCC3.3_WIFI_BLE: C82.2 C83.2 P4.1 P5.5 VR1.2 | length 2122.5
  Top Layer w30: P4.1@1845,375 1845,300 1880,265 2645,265 ; P5.5@2645,375 2645,265 ; VR1.2@3648.11,400 VR1.2@3411.89,400 3355.32,400 3335,420.32 C83.2@3300,420.32 C82.2@3205,420.32 3175.31,420.32 3155,400 3155,319.46 3100.54,265 2645,265
VREF: P6.2 R32.2 | length 540.2
  Top Layer w10: v1(3085,1022.24) R32.2@3085,1058.45
  Bottom Layer w10: P6.2@2960,570 3085,695 v1(3085,1022.24)
VREF+: C48.2 C49.2 R32.1 U3.32 | length 693.1
  Top Layer w10: U3.32@2694.17,1363.1 2694.17,1414.17 2711.72,1431.72 2778.28,1431.72 2895,1315 C48.2@2895,1119.71 C49.2@2990,1119.71 3084.37,1119.71 R32.1@3085,1119.08
pads on no net: P3. P3.4 P3.6 P5.1 P5.6 S1. U1.18 U1.27 U1.29 U1.37 U1.42 U1.44 U1.45 U1.46 U1.60 U1.64 U3.1 U3.2 U3.3 U3.4 U3.5 U3.7 U3.10 U3.11 U3.12 U3.13 U3.14 U3.15 U3.16 U3.18 U3.19 U3.20 U3.27 U3.28 U3.29 U3.34 U3.35 U3.38 U3.40 U3.41 U3.42 U3.43 U3.44 U3.45 U3.46 U3.47 U3.49 U3.50 U3.51 U3.53 U3.54 U3.55 U3.56 U3.57 U3.58 U3.59 U3.60 U3.61 U3.63 U3.64 U3.65 U3.66 U3.73 U3.74 U3.75 U3.76 U3.77 U3.78 U3.79 U3.80 U3.81 U3.82 U3.83 U3.85 U3.86 U3.87 U3.88 U3.89 U3.90 U3.91 U3.92 U3.93 U3.94 U3.96 U3.97 U3.98 U3.99 U3.100 U3.103 U3.104 U3.107 U3.110 U3.111 U3.112 U3.114 U3.115 U3.116 U3.117 U3.118 U3.119 U3.120 U3.122 U3.123 U3.124 U3.125 U3.126 U3.127 U3.128 U3.129 U3.130 U3.132 U3.136 U3.137 U3.139 U3.140 U3.141 U3.142 U4.7 U4.8 U4.9 U4.10 U4.11 U4.12 U4.14 U4.15 U5.6 U9.4
copper on no net: | length 2932.7
  Top Layer w10: 1040.94,420.32 v1(1040.94,448.73) ; v1(3205,730.32) 3205,690.32 3300,690.32 v1(3300,730.32) ; 3765,690.32 3855,690.32
  Bottom Layer w20: 1120,1435 1473.33,1435 1668.33,1435 1668.33,1611.67 1630,1650 1503.33,1650 1480,1673.33 1480,1819.58 1480,1860 1515,1895 1580,1895 1600,1915 1600,2070 1510,2160 1165,2160 1120,2115 1120,1435
  other v1: 1339.56,1168.18

## Polygon pours and split planes (outlines as drawn)
no net on Mechanical 1 (solid, remove dead copper): 405,130
no net on Top Layer "Top Layer-No Net 2" (solid, remove dead copper, pour order 12): 1378.17,2150 1502.93,2150 1575.41,2077.52 1566.6,2068.7 1377.56,2068.7 1375,2071.26
DGND on Top Layer "Top Layer-DGND" (solid, remove dead copper, pour order 6): 1130,2110 1130,1445 1664.78,1445 1660,1450.22 1660,1610 1625,1645 1495.96,1645 1480.96,1660 1475,1660 1468.65,1666.35 1468.65,1860 1510,1901.35 1510,1910 1515.36,1904.64 1575,1904.64 1585,1915 1590,1920 1590,1925 1590,2060 1595,2065 1505,2155 1500,2150 1170,2150
AGND on Top Layer "Top Layer-AGND" (solid, remove dead copper, pour order 4): 10,3220 15,3225 3925,3225 3925,10 3920,5 1725,10 1675,10 1675,1618.91 1635,1658.91 1514.26,1658.91 1490,1683.18 1490,1845 1485,1850 1518.33,1883.33 1593.33,1883.33 1615,1905 1615,2078.2 1523.2,2170 1160,2170 1155,2175 1110,2130 1110,1425.35 1674.65,1425.35 1675,1425 1675,10 1665,10 5,10 5,3210
no net on Top Layer (solid, remove dead copper, pour order 18): 486.48,3115
no net on Top Layer "Top Layer-No Net" (solid, remove dead copper, pour order 16): 1220.71,2413.18 1284.34,2413.18 1276.75,2405.59 1276.75,2284.35 1249.27,2284.35 1210,2323.63 1234.29,2347.92 1234.29,2420
no net on Top Layer "Top Layer-No Net 1" (solid, remove dead copper, pour order 14): 1307.34,2354.59 1307.34,2174.94 1322.25,2174.94 1327.19,2170 1327.19,2350.76
AGND on Bottom Layer "Bottom Layer-AGND" (solid, remove dead copper, pour order 2): 10,3220 15,3225 3925,3225 3925,10 3920,5 1725,10 1675,10 1675,1618.91 1635,1658.91 1514.26,1658.91 1490,1683.18 1490,1845 1485,1850 1518.33,1883.33 1593.33,1883.33 1615,1905 1615,2078.2 1523.2,2170 1160,2170 1155,2175 1110,2130 1110,1425.35 1674.65,1425.35 1675,1425 1675,10 1665,10 5,10 5,3210
DGND on Bottom Layer "Bottom Layer-DGND" (solid, remove dead copper, pour order 0): 1130,2110 1130,1445 1664.78,1445 1660,1450.22 1660,1610 1625,1645 1495.96,1645 1480.96,1660 1475,1660 1468.65,1666.35 1468.65,1860 1510,1901.35 1510,1910 1515.36,1904.64 1575,1904.64 1585,1915 1590,1920 1590,1925 1590,2060 1595,2065 1505,2155 1500,2150 1170,2150

## Silkscreen, mask and mechanical layers (free items; w line width, h text height)
Top Overlay:
  drawing of 11962 lines, arcs and shapes, not listed
  text "GND" at 65,2845 h25 r270
  text "CLK" at 65,2745 h25 r270
  text "DIO" at 65,2640.83 h25 r270
  text "VCC" at 65,2545 h25 r270
  text "REF" at 295,2005 h20 r270
  text "RL" at 55,1995 h20 r270
  text "IN8N" at 55,1920 h20 r270
  text "IN8P" at 295,1920 h20 r270
  text "IN7N" at 60,1820 h20 r270
  text "IN7P" at 295,1820.24 h20 r270
  text "IN6P" at 295,1720.48 h20 r270
  text "IN6N" at 60,1710 h20 r270
  text "IN5P" at 295,1620.71 h20 r270
  text "IN5N" at 60,1620 h20 r270
  text "IN4P" at 295,1520.95 h20 r270
  text "IN4N" at 55,1515 h20 r270
  text "IN3P" at 295,1421.19 h20 r270
  text "IN3N" at 50,1414.12 h20 r270
  text "IN2P" at 295,1321.43 h20 r270
  text "IN2N" at 55,1315 h20 r270
  text "IN1N" at 55,1218.33 h20 r270
  text "IN1P" at 295.01,1218.33 h20 r270
  text "AGND" at 55,1118.31 h20 r270
  text "AGND" at 295,1118.31 h20 r270
  text "3.3V" at 2510,730 h25
  text "5V" at 2723.58,730 h25
  text "VBAT" at 2909.57,730 h25
  text "GND" at 2510,484.33 h25
  text "VREF" at 2909.57,484.33 h25
  text "KEY" at 2510,439.57 h25
  text "VCC" at 2610,439.57 h25
  text "GND" at 2710,439.57 h25
  text "TXD" at 2810,439.57 h25
  text "RXD" at 2910,439.57 h25
  text "STATE" at 3010,439.57 h25
  text "IO_O" at 2305,439.17 h25
  text "VCC" at 1810,435 h25
  text "GND" at 1910,435 h25
  text "TXD" at 2010,435 h25
  text "RXD" at 2110,435 h25
  text "RST" at 2210,435 h25
Mechanical 1:
  the board outline again, w20

## Dimensions
0,0 to 0,3228.35 on Mechanical 1
0,0 to 3937.01,0 on Mechanical 1

## Text inside footprints (layer, text, board x,y; h text height)
P3: Top Overlay "+" at 3702.48,2290.08 h30 r90